# KiCad board panel.kicad_pcb (continued)
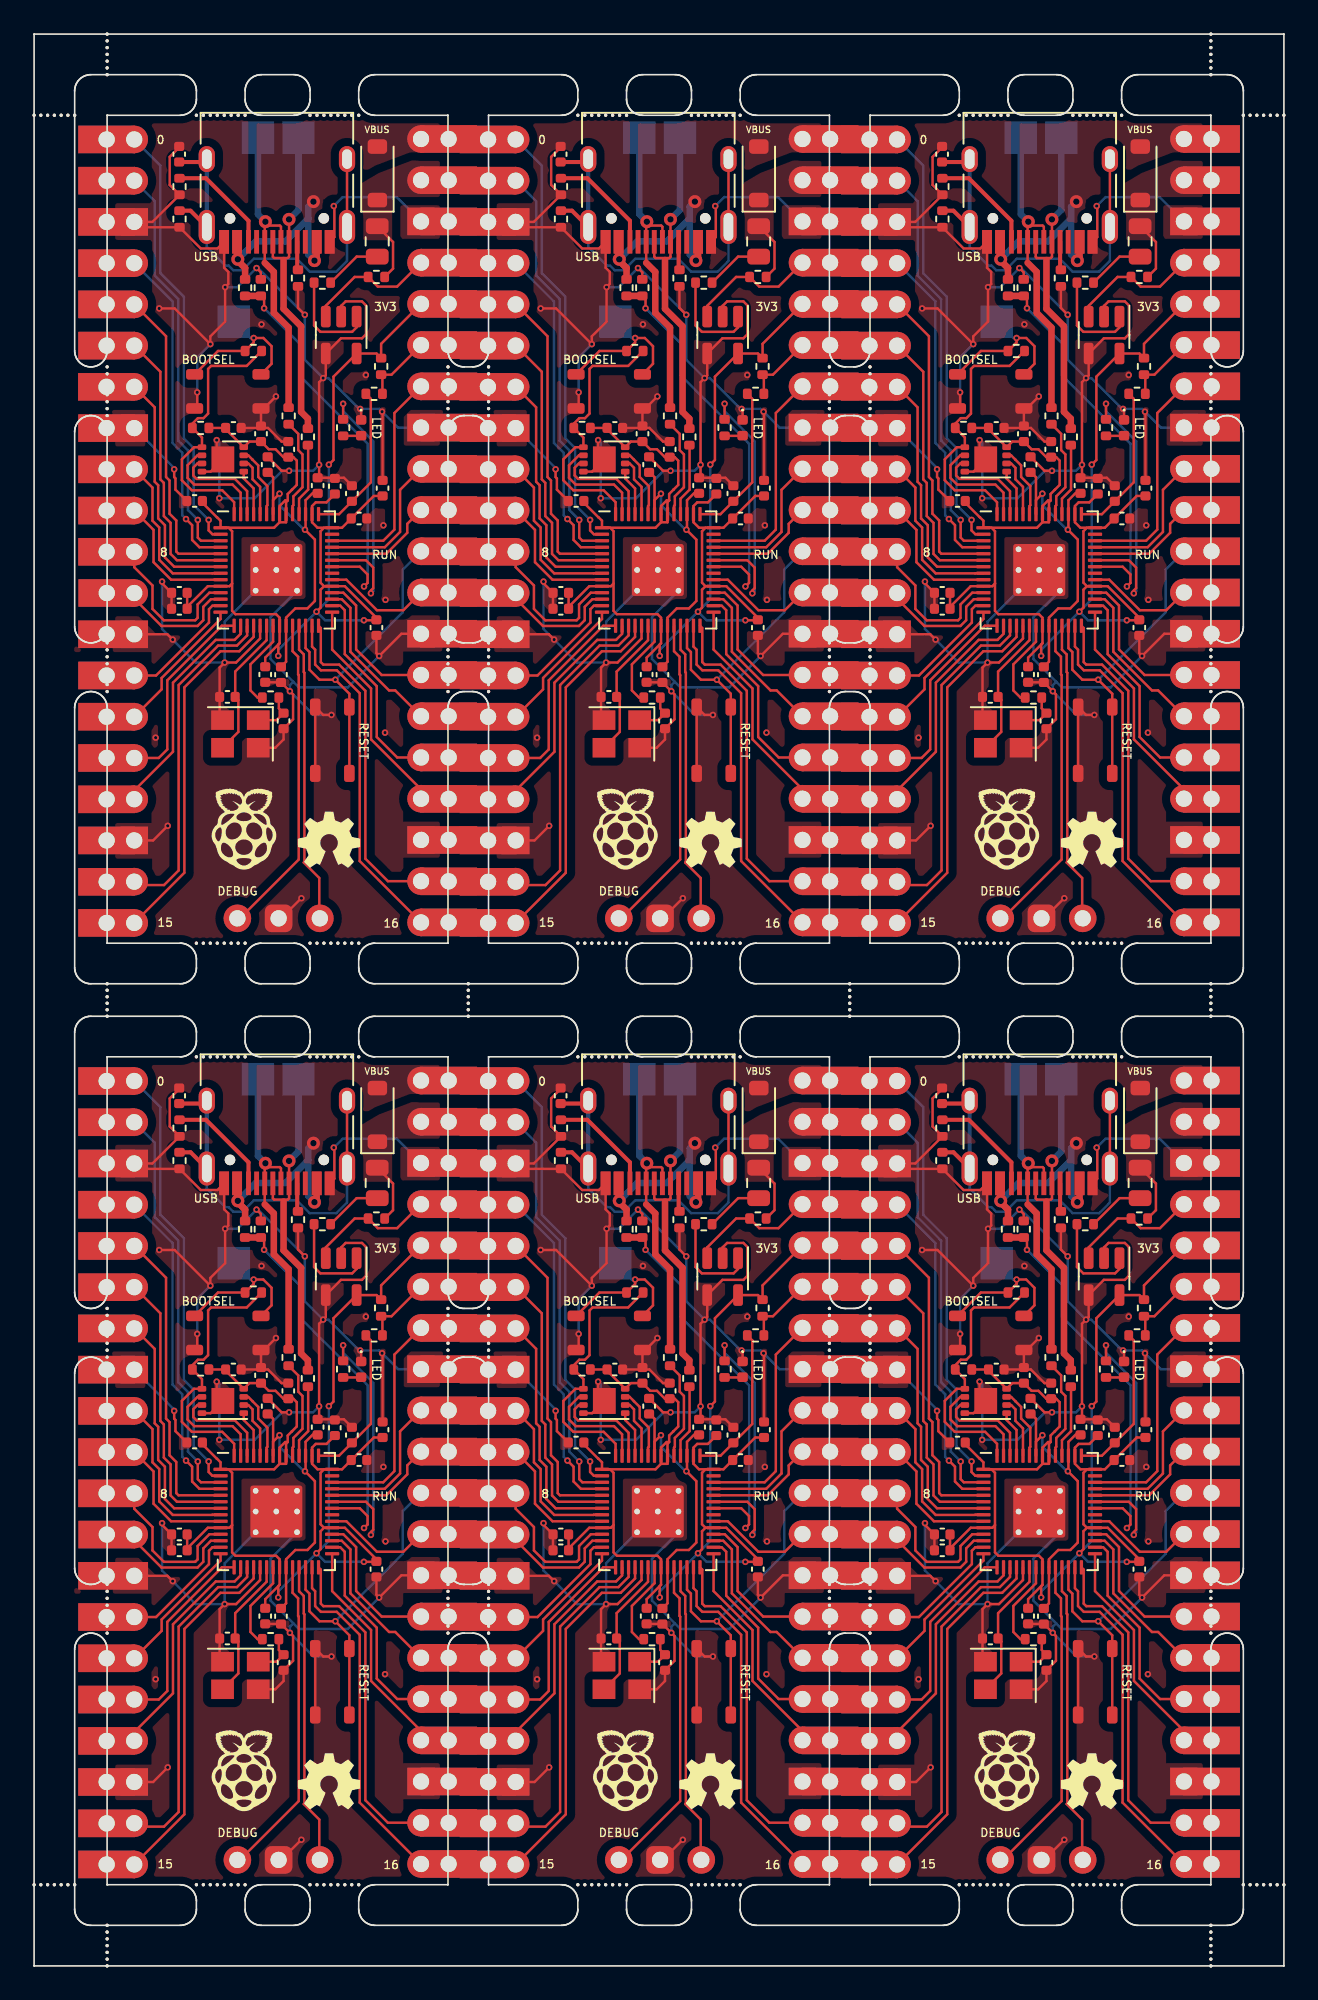
[diagram p0: board, top side]
## Nets (continued)
Board_2-Net-(J4-CC1): J4.A5 R11#2.1
Board_2-Net-(J4-CC2): J4.B5 R12#2.1
Board_2-Net-(J4-SHIELD): C17#2.1 J4.S1 R10#2.2
Board_2-Net-(U1-ADC_AVDD): C12#5.1 R4#3.2 U1#6.43
Board_2-Net-(U1-USB_DM): R2#3.1 U1#6.46
Board_2-Net-(U1-USB_DP): R1#5.1 U1#6.47
Board_2-Net-(U3-IN): FB1#2.1 U3#6.1
Board_2-unconnected-(J4-SBU1-PadA8): J4.A8
Board_2-unconnected-(J4-SBU2-PadB8): J4.B8
Board_2-VBUS: D3.2 J2#2.1 J4.A4 J4.A9 J4.B4 J4.B9 R13#6.2
Board_2-VSYS: D3.1 F1#4.1 J2#2.2 R15#4.1
Board_2-XIN: C15.2 U1#6.20 Y1.3
Board_2-XOUT: R7#3.2 U1#6.21
Board_3-3V3_EN: J2#3.4 R15.2 U3#4.3
Board_3-+1V1: C1#3.1 C2#4.1 C3#2.1 U1#4.23 U1#4.45 U1#4.50
Board_3-+3V3: C4#6.1 C5.1 C6#5.1 C7#2.1 C8#6.1 C9#6.1 C10#2.1 C11#3.1 C13#5.1 C16.2 C19#3.1 J2#3.5 R3#3.1 R9#3.2 U1#4.1 U1#4.10 U1#4.22 U1#4.33 U1#4.42 U1#4.44 U1#4.48 U1#4.49 U2#3.8 U3#4.5
Board_3-/ADC_VREF: J2#3.6 R3#3.2 R4#5.1
Board_3-/GPIO0: J1#2.1 U1#4.2
Board_3-/GPIO1: J1#2.2 U1#4.3
Board_3-/GPIO2: J1#2.4 U1#4.4
Board_3-/GPIO3: J1#2.5 U1#4.5
Board_3-/GPIO4: J1#2.6 U1#4.6
Board_3-/GPIO5: J1#2.7 U1#4.7
Board_3-/GPIO6: J1#2.9 U1#4.8
Board_3-/GPIO7: J1#2.10 U1#4.9
Board_3-/GPIO8: J1#2.11 U1#4.11
Board_3-/GPIO9: J1#2.12 U1#4.12
Board_3-/GPIO10: J1#2.14 U1#4.13
Board_3-/GPIO11: J1#2.15 U1#4.14
Board_3-/GPIO12: J1#2.16 U1#4.15
Board_3-/GPIO13: J1#2.17 U1#4.16
Board_3-/GPIO14: J1#2.19 U1#4.17
Board_3-/GPIO15: J1#2.20 U1#4.18
Board_3-/GPIO16: J2#3.20 U1#4.27
Board_3-/GPIO17: J2#3.19 U1#4.28
Board_3-/GPIO18: J2#3.17 U1#4.29
Board_3-/GPIO19: J2#3.16 U1#4.30
Board_3-/GPIO20: J2#3.15 U1#4.31
Board_3-/GPIO21: J2#3.14 U1#4.32
Board_3-/GPIO22: J2#3.12 U1#4.34
Board_3-/GPIO23: U1#4.35
Board_3-/GPIO24: R13#2.1 R14#2.2 U1#4.36
Board_3-/GPIO25: R5.1 U1#4.37
Board_3-/GPIO26_ADC0: J2#3.10 U1#4.38
Board_3-/GPIO27_ADC1: J2#3.9 U1#4.39
Board_3-/GPIO28_ADC2: J2#3.7 U1#4.40
Board_3-/GPIO29_ADC3: U1#4.41
Board_3-/QSPI_SCLK: U1#4.52 U2#3.6
Board_3-/QSPI_SD0: U1#4.53 U2#3.5
Board_3-/QSPI_SD1: U1#4.55 U2#3.2
Board_3-/QSPI_SD2: U1#4.54 U2#3.3
Board_3-/QSPI_SD3: U1#4.51 U2#3.7
Board_3-/QSPI_SS: R8#4.2 R9#3.1 U1#4.56 U2#3.1
Board_3-/RUN: J2#3.11 SW1#3.2 U1#4.26
Board_3-/SWCLK: J3#4.1 U1#4.24
Board_3-/SWD: J3#4.3 U1#4.25
Board_3-/USB_BOOT: R8#4.1 SW2.2 TP3#4.1
Board_3-/USB_DM: J4#6.A7 J4#6.B7 R2#5.2 TP2#6.1
Board_3-/USB_DP: J4#6.A6 J4#6.B6 R1.2 TP1#3.1
Board_3-GND: C1#3.2 C2#4.2 C3#2.2 C4#6.2 C5.2 C6#5.2 C7#2.2 C8#6.2 C9#6.2 C10#2.2 C11#3.2 C12#3.2 C13#5.2 C14#5.2 C15#5.1 C16.1 C17#5.2 C19#3.2 D1#2.1 J1#2.3 J1#2.8 J1#2.13 J1#2.18 J2#3.3 J2#3.8 J2#3.13 J2#3.18 J3#4.2 J4#6.A1 J4#6.A12 J4#6.B1 J4#6.B12 R10#5.1 R11#3.2 R12#6.2 R14#2.1 SW1#3.1 SW2.1 U1#4.19 U1#4.57 U2#3.4 U2#3.9 U3#4.2 U3#4.4 Y1#2.2 Y1#2.4
Board_3-Net-(C14-Pad1): C14#5.1 R7.1 Y1#2.1
Board_3-Net-(D1-A): D1#2.2 R5.2
Board_3-Net-(F1-Pad2): F1.2 FB1#5.2
Board_3-Net-(J4-CC1): J4#6.A5 R11#3.1
Board_3-Net-(J4-CC2): J4#6.B5 R12#6.1
Board_3-Net-(J4-SHIELD): C17#5.1 J4#6.S1 R10#5.2
Board_3-Net-(U1-ADC_AVDD): C12#3.1 R4#5.2 U1#4.43
Board_3-Net-(U1-USB_DM): R2#5.1 U1#4.46
Board_3-Net-(U1-USB_DP): R1.1 U1#4.47
Board_3-Net-(U3-IN): FB1#5.1 U3#4.1
Board_3-unconnected-(J4-SBU1-PadA8): J4#6.A8
Board_3-unconnected-(J4-SBU2-PadB8): J4#6.B8
Board_3-VBUS: D3#3.2 J2#3.1 J4#6.A4 J4#6.A9 J4#6.B4 J4#6.B9 R13#2.2
Board_3-VSYS: D3#3.1 F1.1 J2#3.2 R15.1
Board_3-XIN: C15#5.2 U1#4.20 Y1#2.3
Board_3-XOUT: R7.2 U1#4.21
Board_4-3V3_EN: J2#4.4 R15#5.2 U3#2.3
Board_4-+1V1: C1#5.1 C2.1 C3#4.1 U1.23 U1.45 U1.50
Board_4-+3V3: C4#4.1 C5#3.1 C6#6.1 C7#4.1 C8#3.1 C9#2.1 C10#6.1 C11#2.1 C13#2.1 C16#2.2 C19.1 J2#4.5 R3#6.1 R9.2 U1.1 U1.10 U1.22 U1.33 U1.42 U1.44 U1.48 U1.49 U2#5.8 U3#2.5
Board_4-/ADC_VREF: J2#4.6 R3#6.2 R4#2.1
Board_4-/GPIO0: J1#6.1 U1.2
Board_4-/GPIO1: J1#6.2 U1.3
Board_4-/GPIO2: J1#6.4 U1.4
Board_4-/GPIO3: J1#6.5 U1.5
Board_4-/GPIO4: J1#6.6 U1.6
Board_4-/GPIO5: J1#6.7 U1.7
Board_4-/GPIO6: J1#6.9 U1.8
Board_4-/GPIO7: J1#6.10 U1.9
Board_4-/GPIO8: J1#6.11 U1.11
Board_4-/GPIO9: J1#6.12 U1.12
Board_4-/GPIO10: J1#6.14 U1.13
Board_4-/GPIO11: J1#6.15 U1.14
Board_4-/GPIO12: J1#6.16 U1.15
Board_4-/GPIO13: J1#6.17 U1.16
Board_4-/GPIO14: J1#6.19 U1.17
Board_4-/GPIO15: J1#6.20 U1.18
Board_4-/GPIO16: J2#4.20 U1.27
Board_4-/GPIO17: J2#4.19 U1.28
Board_4-/GPIO18: J2#4.17 U1.29
Board_4-/GPIO19: J2#4.16 U1.30
Board_4-/GPIO20: J2#4.15 U1.31
Board_4-/GPIO21: J2#4.14 U1.32
Board_4-/GPIO22: J2#4.12 U1.34
Board_4-/GPIO23: U1.35
Board_4-/GPIO24: R13#5.1 R14.2 U1.36
Board_4-/GPIO25: R5#5.1 U1.37
Board_4-/GPIO26_ADC0: J2#4.10 U1.38
Board_4-/GPIO27_ADC1: J2#4.9 U1.39
Board_4-/GPIO28_ADC2: J2#4.7 U1.40
Board_4-/GPIO29_ADC3: U1.41
Board_4-/QSPI_SCLK: U1.52 U2#5.6
Board_4-/QSPI_SD0: U1.53 U2#5.5
Board_4-/QSPI_SD1: U1.55 U2#5.2
Board_4-/QSPI_SD2: U1.54 U2#5.3
Board_4-/QSPI_SD3: U1.51 U2#5.7
Board_4-/QSPI_SS: R8#2.2 R9.1 U1.56 U2#5.1
Board_4-/RUN: J2#4.11 SW1#6.2 U1.26
Board_4-/SWCLK: J3#6.1 U1.24
Board_4-/SWD: J3#6.3 U1.25
Board_4-/USB_BOOT: R8#2.1 SW2#4.2 TP3#3.1
Board_4-/USB_DM: J4#5.A7 J4#5.B7 R2#2.2 TP2#4.1
Board_4-/USB_DP: J4#5.A6 J4#5.B6 R1#6.2 TP1#2.1
Board_4-GND: C1#5.2 C2.2 C3#4.2 C4#4.2 C5#3.2 C6#6.2 C7#4.2 C8#3.2 C9#2.2 C10#6.2 C11#2.2 C12.2 C13#2.2 C14#6.2 C15#4.1 C16#2.1 C17#6.2 C19.2 D1#6.1 J1#6.3 J1#6.8 J1#6.13 J1#6.18 J2#4.3 J2#4.8 J2#4.13 J2#4.18 J3#6.2 J4#5.A1 J4#5.A12 J4#5.B1 J4#5.B12 R10#6.1 R11#6.2 R12.2 R14.1 SW1#6.1 SW2#4.1 U1.19 U1.57 U2#5.4 U2#5.9 U3#2.2 U3#2.4 Y1#5.2 Y1#5.4
Board_4-Net-(C14-Pad1): C14#6.1 R7#2.1 Y1#5.1
Board_4-Net-(D1-A): D1#6.2 R5#5.2
Board_4-Net-(F1-Pad2): F1#2.2 FB1#3.2
Board_4-Net-(J4-CC1): J4#5.A5 R11#6.1
Board_4-Net-(J4-CC2): J4#5.B5 R12.1
Board_4-Net-(J4-SHIELD): C17#6.1 J4#5.S1 R10#6.2
Board_4-Net-(U1-ADC_AVDD): C12.1 R4#2.2 U1.43
Board_4-Net-(U1-USB_DM): R2#2.1 U1.46
Board_4-Net-(U1-USB_DP): R1#6.1 U1.47
Board_4-Net-(U3-IN): FB1#3.1 U3#2.1
Board_4-unconnected-(J4-SBU1-PadA8): J4#5.A8
Board_4-unconnected-(J4-SBU2-PadB8): J4#5.B8
Board_4-VBUS: D3#5.2 J2#4.1 J4#5.A4 J4#5.A9 J4#5.B4 J4#5.B9 R13#5.2
Board_4-VSYS: D3#5.1 F1#2.1 J2#4.2 R15#5.1
Board_4-XIN: C15#4.2 U1.20 Y1#5.3
Board_4-XOUT: R7#2.2 U1.21
Board_5-3V3_EN: J2.4 R15#6.2 U3.3
Board_5-+1V1: C1#4.1 C2#3.1 C3.1 U1#5.23 U1#5.45 U1#5.50
Board_5-+3V3: C4#5.1 C5#2.1 C6#2.1 C7#5.1 C8#4.1 C9#4.1 C10#3.1 C11#6.1 C13#3.1 C16#4.2 C19#4.1 J2.5 R3.1 R9#5.2 U1#5.1 U1#5.10 U1#5.22 U1#5.33 U1#5.42 U1#5.44 U1#5.48 U1#5.49 U2#4.8 U3.5
Board_5-/ADC_VREF: J2.6 R3.2 R4#4.1
Board_5-/GPIO0: J1#4.1 U1#5.2
Board_5-/GPIO1: J1#4.2 U1#5.3
Board_5-/GPIO2: J1#4.4 U1#5.4
Board_5-/GPIO3: J1#4.5 U1#5.5
Board_5-/GPIO4: J1#4.6 U1#5.6
Board_5-/GPIO5: J1#4.7 U1#5.7
Board_5-/GPIO6: J1#4.9 U1#5.8
Board_5-/GPIO7: J1#4.10 U1#5.9
Board_5-/GPIO8: J1#4.11 U1#5.11
Board_5-/GPIO9: J1#4.12 U1#5.12
Board_5-/GPIO10: J1#4.14 U1#5.13
Board_5-/GPIO11: J1#4.15 U1#5.14
Board_5-/GPIO12: J1#4.16 U1#5.15
Board_5-/GPIO13: J1#4.17 U1#5.16
Board_5-/GPIO14: J1#4.19 U1#5.17
Board_5-/GPIO15: J1#4.20 U1#5.18
Board_5-/GPIO16: J2.20 U1#5.27
Board_5-/GPIO17: J2.19 U1#5.28
Board_5-/GPIO18: J2.17 U1#5.29
Board_5-/GPIO19: J2.16 U1#5.30
Board_5-/GPIO20: J2.15 U1#5.31
Board_5-/GPIO21: J2.14 U1#5.32
Board_5-/GPIO22: J2.12 U1#5.34
Board_5-/GPIO23: U1#5.35
Board_5-/GPIO24: R13#4.1 R14#4.2 U1#5.36
Board_5-/GPIO25: R5#3.1 U1#5.37
Board_5-/GPIO26_ADC0: J2.10 U1#5.38
Board_5-/GPIO27_ADC1: J2.9 U1#5.39
Board_5-/GPIO28_ADC2: J2.7 U1#5.40
Board_5-/GPIO29_ADC3: U1#5.41
Board_5-/QSPI_SCLK: U1#5.52 U2#4.6
Board_5-/QSPI_SD0: U1#5.53 U2#4.5
Board_5-/QSPI_SD1: U1#5.55 U2#4.2
Board_5-/QSPI_SD2: U1#5.54 U2#4.3
Board_5-/QSPI_SD3: U1#5.51 U2#4.7
Board_5-/QSPI_SS: R8#3.2 R9#5.1 U1#5.56 U2#4.1
Board_5-/RUN: J2.11 SW1#2.2 U1#5.26
Board_5-/SWCLK: J3#2.1 U1#5.24
Board_5-/SWD: J3#2.3 U1#5.25
Board_5-/USB_BOOT: R8#3.1 SW2#3.2 TP3#6.1
Board_5-/USB_DM: J4#2.A7 J4#2.B7 R2#4.2 TP2#5.1
Board_5-/USB_DP: J4#2.A6 J4#2.B6 R1#2.2 TP1#6.1
Board_5-GND: C1#4.2 C2#3.2 C3.2 C4#5.2 C5#2.2 C6#2.2 C7#5.2 C8#4.2 C9#4.2 C10#3.2 C11#6.2 C12#2.2 C13#3.2 C14#4.2 C15#3.1 C16#4.1 C17.2 C19#4.2 D1.1 J1#4.3 J1#4.8 J1#4.13 J1#4.18 J2.3 J2.8 J2.13 J2.18 J3#2.2 J4#2.A1 J4#2.A12 J4#2.B1 J4#2.B12 R10.1 R11#4.2 R12#3.2 R14#4.1 SW1#2.1 SW2#3.1 U1#5.19 U1#5.57 U2#4.4 U2#4.9 U3.2 U3.4 Y1#4.2 Y1#4.4
Board_5-Net-(C14-Pad1): C14#4.1 R7#5.1 Y1#4.1
Board_5-Net-(D1-A): D1.2 R5#3.2
Board_5-Net-(F1-Pad2): F1#5.2 FB1#4.2
Board_5-Net-(J4-CC1): J4#2.A5 R11#4.1
Board_5-Net-(J4-CC2): J4#2.B5 R12#3.1
Board_5-Net-(J4-SHIELD): C17.1 J4#2.S1 R10.2
Board_5-Net-(U1-ADC_AVDD): C12#2.1 R4#4.2 U1#5.43
Board_5-Net-(U1-USB_DM): R2#4.1 U1#5.46
Board_5-Net-(U1-USB_DP): R1#2.1 U1#5.47
Board_5-Net-(U3-IN): FB1#4.1 U3.1
Board_5-unconnected-(J4-SBU1-PadA8): J4#2.A8
Board_5-unconnected-(J4-SBU2-PadB8): J4#2.B8
Board_5-VBUS: D3#4.2 J2.1 J4#2.A4 J4#2.A9 J4#2.B4 J4#2.B9 R13#4.2
Board_5-VSYS: D3#4.1 F1#5.1 J2.2 R15#6.1
Board_5-XIN: C15#3.2 U1#5.20 Y1#4.3
Board_5-XOUT: R7#5.2 U1#5.21

## Via types
v1: diameter 0.4, hole 0.2, Top to Bottom, 270 vias
v2: diameter 0.8, hole 0.4, Top to Bottom, 30 vias

## Routing (per net, layer and track width the routed paths; a pad name or vN(x,y) marks a point on that pad's centre or on a via; arc(x,y) is an arc through that point)
Board_0-3V3_EN: length 8.1
  Top w0.15: J2#6.4 22.37,103.44 21.18,103.44 R15#3.2 19.75,104.04 17.97,102.26 U3#3.3
Board_0-+1V1: length 19.4
  Top w0.15: v1(16.69,88.47) 17.3,87.86 17.3,84.08 16.84,83.62 16.09,83.62 15.53,83.05 U1#2.23 15.53,80.34 C2#5.1 ; v1(16.69,88.47) 16.72,88.5 U1#2.45 16.72,90.28 17.18,90.74 ; v1(16.69,88.47) 16.72,88.48 ; v1(15.12,90.69) 14.72,90.3 U1#2.50 14.72,91.7 14.52,91.91
  Bottom w0.15: v1(15.12,90.69) 15.12,89.98 16.69,88.41
Board_0-+3V3: length 84.7
  Top w0.15: 15.88,90.93 15.62,90.67 15.62,90.27 ; 15.88,90.93 15.89,90.94 ; 15.88,90.93 16.19,91.23 16.19,92.72 15.97,92.94 C5#6.1 15.36,92.94 14.88,93.42 14.45,93.42 C19#2.1 13.27,93.9 U2#2.8 11.8,94.67 C16#3.2 R9#6.2 ; 15.12,81.48 15.04,81.39 v1(15.04,80.7) ; 15.12,81.48 14.24,80.59 C6#4.1 ; 15.12,81.48 U1#2.22 15.12,83.05 14.91,83.27 12.41,83.27 12.2,83.47 12.2,85.15 ; 11.48,88.6 U1#2.1 ; U1#2.1 11.99,88.59 12.2,88.38 12.2,85.15 ; U1#2.1 14.79,88.59 15.12,88.93 ; U1#2.1 11.49,89.02 11.27,89.24 11.26,89.24 10.34,90.16 10.34,90.22 ; C10.1 20.93,90.55 C4#3.1 18.97,88.59 U1#2.42 17.86,88.59 ; v1(18.16,92.48) 18.44,92.77 18.44,97.9 U3#3.5 21.1,99.32 R3#5.1 21.38,99.92 J2#6.5 ; 12.2,85.15 12.04,84.99 U1#2.10 10.7,84.99 9.43,83.72 C8#2.1 C13#4.1 ; 15.62,90.27 15.47,90.27 15.12,89.93 U1#2.49 15.12,88.93 ; 15.62,90.27 15.53,90.17 U1#2.48 15.53,88.93 15.12,88.93 ; 17.86,88.59 17.46,88.59 17.12,88.93 U1#2.44 17.12,89.93 17.35,90.16 18.01,90.16 C11#5.1 ; 17.86,88.59 17.65,88.38 17.65,85.2 17.86,84.99 ; 17.86,84.99 17.65,84.78 17.65,83.67 v1(17.4,83.42) ; 17.86,84.99 U1#2.33 19.15,84.99 21.09,83.05 C7#6.1 21.06,82.89 v1(20.32,82.89)
  Bottom w0.15: v1(17.4,83.42) 18.16,84.18 v1(18.16,92.48) ; v1(17.4,83.42) 17.93,82.89 v1(20.32,82.89) 19.98,82.89 ; v1(17.4,83.42) 15.04,81.06 v1(15.04,80.7)
Board_0-/ADC_VREF: length 4.4
  Top w0.15: R4#6.1 21.46,97.94 R3#5.2 22.02,98.02 J2#6.6
Board_0-/GPIO0: length 26.8
  Top w0.15: U1#2.2 10.99,88.19 10.75,88.42 v1(10.75,89.07)
  Bottom w0.15: v1(10.75,89.07) 9.83,90 9.83,93.5 9.23,94.1 9.23,102.82 7.78,104.27 7.78,110.9 J1.1
Board_0-/GPIO1: length 25.1
  Top w0.15: U1#2.3 10.28,87.79 10.09,87.98 v1(10.09,89.07)
  Bottom w0.15: v1(10.09,89.07) 9.48,89.68 9.48,93.36 8.88,93.96 8.88,102.67 7.43,104.12 7.43,108.71 J1.2
Board_0-/GPIO2: length 20.5
  Top w0.15: v1(9.36,89.13) 9.74,88.75 9.74,87.84 10.19,87.39 U1#2.4
  Bottom w0.15: J1.4 8.53,102.53 8.53,93.81 9.13,93.21 9.13,89.36 v1(9.36,89.13)
Board_0-/GPIO3: length 19.1
  Top w0.15: J1.5 8.13,100.39 8.13,91.71 8.34,91.5 8.34,89.45 8.76,89.04 8.76,87.12 8.89,86.99 U1#2.5
Board_0-/GPIO4: length 17
  Top w0.15: U1#2.6 8.8,86.59 8.41,86.98 8.41,88.89 8,89.31 8,91.35 7.78,91.57 7.78,98.2 J1.6
Board_0-/GPIO5: length 15
  Top w0.15: J1.7 7.43,96.01 7.43,91.42 7.64,91.21 7.64,89.16 8.06,88.75 8.06,86.76 8.63,86.19 U1#2.7
Board_0-/GPIO6: length 10.3
  Top w0.15: J1.9 7.3,91.06 7.3,89.02 7.71,88.6 7.71,86.61 8.54,85.78 10.98,85.78 10.99,85.79 U1#2.8
Board_0-/GPIO7: length 8.2
  Top w0.15: U1#2.9 8.44,85.39 7.36,86.47 7.36,88.46 J1.10
Board_0-/GPIO8: length 9.7
  Top w0.15: U1#2.11 10.8,84.59 10.08,83.87 10.08,83.04 9.93,82.89 7.99,82.89 7.3,83.59 7.3,85.03 6.17,86.16 J1.11
Board_0-/GPIO9: length 7.5
  Top w0.15: J1.12 6.17,84.22 7.85,82.54 10.07,82.54 10.42,82.89 10.42,83.72 10.89,84.19 U1#2.12
Board_0-/GPIO10: length 7.6
  Top w0.15: U1#2.13 10.99,83.79 10.78,83.58 10.78,82.75 7.52,79.49 J1.14
Board_0-/GPIO11: length 8.6
  Top w0.15: J1.15 7.86,78.64 7.86,79.34 11.49,82.97 U1#2.14
Board_0-/GPIO12: length 12
  Top w0.15: J1.16 7.68,74.41 8.21,74.94 8.21,79.19 11.57,82.55 U1#2.15
Board_0-/GPIO13: length 14.1
  Top w0.15: J1.17 6.17,72.41 8.56,74.79 8.56,79.05 11.19,81.68 12.35,81.68 12.72,82.05 U1#2.16
Board_0-/GPIO14: length 20.7
  Top w0.15: J1.19 6.38,66.58 8.01,66.58 8.91,67.48 8.91,78.9 11.34,81.33 12.5,81.33 13.12,81.96 U1#2.17
Board_0-/GPIO15: length 22
  Top w0.15: J1.20 9.26,67.34 9.26,78.76 11.48,80.98 12.64,80.98 13.53,81.86 U1#2.18
Board_0-/GPIO16: length 21.6
  Top w0.15: U1#2.27 17.12,81.27 17.31,81.08 17.31,80.16 17.67,79.81 18.65,79.81 20.06,78.4 20.06,68.06 J2#6.20
Board_0-/GPIO17: length 20.1
  Top w0.15: J2#6.19 21.79,66.82 20.41,68.2 20.41,78.54 18.79,80.16 17.82,80.16 17.67,80.31 17.67,82.41 U1#2.28
Board_0-/GPIO18: length 13.8
  Top w0.15: U1#2.29 18.36,81.09 20.76,78.69 20.76,75.56 23.84,72.48 J2#6.17
Board_0-/GPIO19: length 12.8
  Top w0.15: U1#2.30 18.86,83.79 19.14,83.51 19.14,80.8 21.11,78.83 21.11,75.7 22.37,74.44 J2#6.16
Board_0-/GPIO20: length 10
  Top w0.15: U1#2.31 18.96,84.19 19.49,83.66 19.49,80.95 21.87,78.57 22.25,78.57 J2#6.15
Board_0-/GPIO21: length 9.2
  Top w0.15: J2#6.14 21.41,79.52 19.84,81.09 19.84,83.8 19.05,84.59 U1#2.32
Board_0-/GPIO22: length 6.7
  Top w0.15: J2#6.12 22.75,83.51 21.12,83.51 19.24,85.39 U1#2.34
Board_0-/GPIO24: length 24.9
  Top w0.15: R14#5.2 14.17,102.67 v1(14.17,102.11) ; v1(20.33,84.97) 20.54,85.19 20.54,85.71 20.07,86.19 U1#2.36
  Top w0.4: R13.1 R14#5.2
  Bottom w0.15: v1(14.17,102.11) 16.33,99.95 16.33,97.99 20.55,93.77 20.55,85.2 v1(20.33,84.97)
Board_0-/GPIO25: length 17.8
  Top w0.15: v1(19.04,96.23) R5#4.1 ; U1#2.37 20.44,86.59 20.89,86.14 20.89,84.87 20.75,84.73 v1(20.75,84.55)
  Bottom w0.15: v1(19.04,96.23) 19.04,95.77 20.9,93.91 20.9,84.7 v1(20.75,84.55)
Board_0-/GPIO26_ADC0: length 6.9
  Top w0.15: U1#2.38 21.7,86.99 22.99,88.28 22.99,88.83 J2#6.10
Board_0-/GPIO27_ADC1: length 9
  Top w0.15: U1#2.39 21.61,87.39 22.55,88.33 22.55,90.93 J2#6.9
Board_0-/GPIO28_ADC2: length 13.6
  Top w0.15: J2#6.7 22.2,95.66 22.2,88.48 21.51,87.79 U1#2.40
Board_0-/QSPI_SCLK: length 3.7
  Top w0.15: U1#2.52 13.92,91.11 13.46,91.57 13.46,92.29 13.2,92.55 U2#2.6
Board_0-/QSPI_SD0: length 2.9
  Top w0.15: U1#2.53 13.53,91.01 12.92,91.62 U2#2.5
Board_0-/QSPI_SD1: length 6.9
  Top w0.15: U1#2.55 12.72,90.75 12.23,91.25 9.87,91.25 9.45,91.66 9.45,92.44 10.06,93.05 U2#2.2
Board_0-/QSPI_SD2: length 6.3
  Top w0.15: U2#2.3 10.06,92.55 9.81,92.29 9.81,91.81 10.01,91.6 12.37,91.6 13.12,90.84 U1#2.54
Board_0-/QSPI_SD3: length 4.4
  Top w0.15: U2#2.7 13.2,93.05 13.45,92.79 13.45,92.79 13.81,92.43 13.81,91.72 14.38,91.15 14.38,89.98 14.33,89.93 U1#2.51
Board_0-/QSPI_SS: length 16.9
  Top w0.15: R9#6.1 9.75,95 10.09,95.34 10.44,95.34 10.72,95.62 10.72,98.38 10.9,98.56 13.1,98.56 R8#5.2 ; R9#6.1 10.34,94.15 U2#2.1 9.85,93.55 9.11,92.81 9.11,91.52 9.72,90.9 11.59,90.9 12.33,90.16 U1#2.56 ; R9#6.1 9.62,94.74
Board_0-/RUN: length 20.9
  Top w0.15: SW1#5.2 SW1#5.2 19.42,78.37 v1(18.56,79.23) 17.58,79.23 16.97,79.84 16.97,80.93 16.72,81.17 U1#2.26
  Bottom w0.15: J2#6.11 22.72,86.02 22.72,83.38 v1(18.56,79.23)
Board_0-/SWCLK: length 20
  Top w0.15: 12.49,64.34 16.31,68.16 16.31,79.52 16.27,79.56 16.27,80.65 15.92,80.98 U1#2.24
Board_0-/SWD: length 18.8
  Top w0.15: U1#2.25 16.33,81.08 16.61,80.79 16.61,79.7 16.66,79.66 16.66,68.01 16.62,67.97 17.57,67.02 17.57,64.34
Board_0-/USB_BOOT: length 9.7
  Top w0.15: SW2#5.2 14.63,98.69 14.63,99.77 14.12,100.28 v1(13.53,100.28) 13.53,100.01 R8#5.1 11.33,99.48 SW2#5.2
  Bottom w0.15: TP3.1 13.32,100.28 v1(13.53,100.28)
Board_0-/USB_DM: length 20.6
  Top w0.15: J4#3.A7 14.71,105.28 14.78,105.2 15.64,105.2 15.71,105.28 J4#3.B7 15.71,107.58 v2(15.71,107.59)
  Top w0.4: R2#6.2 16.87,95.31 16.45,95.73 16.45,101 15.37,102.08 15.37,105.08
  Bottom w0.4: TP2#3.1 16.29,108.17 v2(15.71,107.59)
Board_0-/USB_DP: length 19.4
  Top w0.15: 14.28,107.2 14.21,107.13 J4#3.B6 14.21,104.91 ; 14.28,107.2 15.14,107.2 15.21,107.13 J4#3.A6 ; 14.28,107.2 14.28,107.41 v2(14.25,107.44)
  Top w0.4: 14.21,104.91 14.77,104.35 14.77,101.83 15.68,100.92 R1#4.2
  Bottom w0.4: v2(14.25,107.44) 13.79,107.9 TP1#4.1
Board_0-GND: length 169.7
  Top w0.15: C1#6.2 15.25,92.1 v1(15.71,92.1) ; J2#6.13 22.63,82.06 v1(21.26,80.69) 21.09,80.86 C7#6.2 ; J1.13 8.21,82.03 v1(8.54,81.7) ; v1(21.44,95.74) 21.47,95.71 C10.2 ; C17#3.2 8.94,112.02 8.36,111.44 8.36,109.7 R12#4.2 7.29,107.43 J1.3 6.5,107.1 R10#4.1 10.27,105.8 11.3,105.8 J4#3.A12 11.71,104.6 11.97,104.35 11.97,103.6 v1(11.77,103.41) 11.77,101.29 10.86,100.38 v1(10.86,99.9) 8.66,102.1 v1(7.71,102.1) ; C6#4.2 15.2,79.07 C2#5.2 15.22,79.06 v1(15.76,78.52) 15.95,78.33 15.95,76.8 C14#2.2 15.37,75.55 14.86,75.04 Y1#6.4 ; C9#3.2 8.71,90.94 8.71,91.63 8.63,91.71 v1(8.63,92.19) ; v1(8.23,70.23) 7.33,69.33 J1.18 ; Y1#6.2 11.43,76.92 C15#2.1 11.43,79.98 v1(11.74,80.29) 12.44,80.29 13.92,81.77 U1#2.19 ; C19#2.2 13.98,95.76 v1(14.9,96.68) ; v1(18.46,108.41) 18.5,108.37 18.5,106.5 J4#3.A1 ; SW1#5.1 SW1#5.1 17.81,77.06 v1(18.32,77.06) ; v1(7.88,85.27) 7.88,85.17 C13#4.2 C8#2.2 8.47,83.68 ; v1(11.25,93.99) 11.25,93.18 U2#2.9 10.88,92.05 U2#2.4 ; v1(16.47,65.77) 16.46,65.77 15.03,64.34 ; C12#6.2 19.09,91.67 C3#5.2 17.56,91.76 v1(17.56,92.47) 17.56,97.56 v1(17.81,97.81) 17.97,97.97 U3#3.4 18.91,100.26 20.2,100.26 20.45,100.51 20.45,102.29 20.2,102.53 19.2,102.53 18.92,102.26 U3#3.2 ; v1(16.68,101.71) 16.26,102.13 R11#5.2 ; v1(20.09,95.91) 20.15,95.85 D1#4.1 ; SW2#5.1 10.05,96.1 v1(10.05,96.93) ; C16#3.1 14.41,94.74 15.25,93.9 C5#6.2 ; R14#5.1 13.97,104.32 v1(13.7,104.59)
  Bottom w0.15: v1(21.26,80.69) 19.32,78.75 16.32,78.75 15.97,79.1 ; v1(10.86,99.9) 10.05,99.09 v1(10.05,96.93) ; J1.8 8.63,92.27 v1(8.63,92.19) ; 15.97,79.1 15.76,78.89 v1(15.76,78.52) 17.22,77.06 v1(18.32,77.06) ; 15.97,79.1 14.57,80.5 14.57,83.08 U1#2.57 ; v1(11.77,103.41) 12.53,103.41 v1(13.7,104.59) 13.8,104.59 v1(16.68,101.71) 16.68,98.94 v1(17.81,97.81) 18.13,97.81 20.03,95.91 v1(20.09,95.91) 21.27,95.91 v1(21.44,95.74) 22.42,94.76 J2#6.8 ; v1(17.56,92.47) 17.19,92.1 v1(15.71,92.1) 15.28,92.1 13.59,90.41 v1(11.41,90.41) 11.41,93.83 v1(11.25,93.99) ; v1(7.88,85.27) 7.88,82.36 v1(8.54,81.7) 9.95,80.29 v1(11.74,80.29) 11.74,82.81 U1#2.57 ; v1(18.46,108.41) 19.02,108.96 22.34,108.96 J2#6.3
  vias: v1(7.49,75.66) v1(14.01,101.12) v1(20.44,98) v1(21.52,88.74) v1(21.62,75.97) v1(21.65,84.15)
Board_0-Net-(C14-Pad1): length 2.8
  Top w0.15: R7#6.1 15.08,77.46 C14#2.1 14.94,76.74 Y1#6.1
Board_0-Net-(D1-A): length 1.1
  Top w0.15: R5#4.2 20.13,94.25 D1#4.2
Board_0-Net-(F1-Pad2): length 3.5
  Top w0.15: F1#6.2 19.87,105.29 FB1.2
Board_0-Net-(J4-CC1): length 1.7
  Top w0.25: R11#5.1 16.21,104.53 J4#3.A5
Board_0-Net-(J4-CC2): length 6.6
  Top w0.25: R12#4.1 10.59,110.12 13.21,107.5 J4#3.B5
Board_0-Net-(J4-SHIELD): length 25.7
  Top w0.15: J4#3.S1 J4#3.S1
  Top w0.25: R10#4.2 9.64,108.12 J4#3.S1 ; C17#3.1 10.46,111.12 J4#3.S1
  Bottom w0.15: J4#3.S1 19.28,105.03 18.62,104.37 16.98,104.37 16.19,105.16 13.54,105.16 12.83,104.45 12.27,104.45 11.98,104.74 11.79,104.74 10.64,105.89 J4#3.S1
  Bottom w0.25: J4#3.S1 J4#3.S1
Board_0-Net-(U1-ADC_AVDD): length 9.6
  Top w0.15: U1#2.43 18.79,89.43 C12#6.1 20.75,91.38 20.75,96.53 R4#6.2
Board_0-Net-(U1-USB_DM): length 4.5
  Top w0.15: R2#6.1 16.89,93.66 16.89,90.94 16.33,90.38 U1#2.46
Board_0-Net-(U1-USB_DP): length 6.1
  Top w0.15: R1#4.1 16.28,94.38 16.28,93.37 16.53,93.11 16.53,91.08 15.97,90.52 15.97,89.98 15.92,89.93 U1#2.47
Board_0-Net-(U3-IN): length 6.2
  Top w0.15: FB1.1 17.25,101.05 17.64,100.66 19.59,100.66 19.87,100.94 U3#3.1
Board_0-VBUS: length 13.8
  Top w0.4: v2(12.55,105.13) 12.55,105.04 13,104.59 ; v2(17.27,105.05) 17.41,105.18 J4#3.A4 ; 13,104.59 12.51,105.08 J4#3.A9 ; 13,104.59 R13.2
  Bottom w0.4: 16.89,107.64 16.89,105.43 v2(17.27,105.05) ; 16.89,107.64 15.48,106.23 13.65,106.23 v2(12.55,105.13) ; 16.89,107.64 16.89,108.36 v2(17.21,108.68)
Board_0-VSYS: length 3.7
  Top w0.15: R15#3.1 22.12,104.56 22.12,106.19 F1#6.1
Board_0-XIN: length 8.8
  Top w0.15: Y1#6.3 12.58,76.02 12.58,77.97 C15#2.2 12.39,79.73 14.33,81.66 U1#2.20
Board_0-XOUT: length 5.5
  Top w0.15: R7#6.2 13.77,78.13 13.33,78.57 13.33,80.18 14.72,81.57 U1#2.21
Board_1-3V3_EN: length 8.1
  Top w0.15: U3#5.3 41.47,102.26 43.25,104.04 R15#2.2 44.68,103.44 45.87,103.44 J2#5.4
Board_1-+1V1: length 19.4
  Top w0.15: 40.68,90.74 40.22,90.28 40.22,88.5 v1(40.19,88.47) ; v1(40.19,88.47) 40.22,88.48 ; v1(40.19,88.47) 40.8,87.86 40.8,84.08 40.34,83.62 39.59,83.62 39.03,83.05 U1#3.23 39.03,80.34 C2#2.1 ; 38.02,91.91 38.22,91.7 38.22,89.43 38.22,90.3 v1(38.62,90.69)
  Bottom w0.15: v1(38.62,90.69) 38.62,89.98 40.19,88.41
Board_1-+3V3: length 84.7
  Top w0.15: 39.12,90.27 38.97,90.27 38.62,89.93 U1#3.49 38.62,88.93 ; 39.12,90.27 39.12,90.67 39.38,90.93 ; 39.12,90.27 39.03,90.17 U1#3.48 39.03,88.93 38.62,88.93 ; U1#3.1 35.49,88.59 35.7,88.38 35.7,85.15 ; U1#3.1 38.29,88.59 38.62,88.93 ; U1#3.1 34.98,88.6 ; U1#3.1 34.99,89.02 34.77,89.24 34.76,89.24 33.84,90.16 33.84,90.22 ; C6.1 37.74,80.59 38.62,81.48 ; v1(43.82,82.89) 44.56,82.89 C7.1 44.59,83.05 42.65,84.99 U1#3.33 41.36,84.99 ; 41.36,88.59 41.15,88.38 41.15,85.2 41.36,84.99 ; 41.36,88.59 U1#3.42 42.47,88.59 C4#2.1 44.43,90.55 C10#4.1 ; 41.36,88.59 40.96,88.59 40.62,88.93 U1#3.44 40.62,89.93 40.85,90.16 41.51,90.16 C11#4.1 ; 39.38,90.93 39.4,90.94 ; 39.38,90.93 39.69,91.23 39.69,92.72 39.47,92.94 C5#4.1 38.86,92.94 38.38,93.42 37.96,93.42 C19#6.1 36.77,93.9 U2#6.8 35.3,94.67 C16#6.2 R9#4.2 ; 35.7,85.15 35.54,84.99 U1#3.10 34.2,84.99 32.93,83.72 C8.1 C13#6.1 ; 35.7,85.15 35.7,83.47 35.91,83.27 38.41,83.27 38.62,83.05 U1#3.22 38.62,81.48 ; v1(40.9,83.42) 41.15,83.67 41.15,84.78 41.36,84.99 ; v1(38.54,80.7) 38.54,81.39 38.62,81.48 ; v1(41.66,92.48) 41.94,92.77 41.94,97.9 U3#5.5 44.6,99.32 R3#2.1 44.88,99.92 J2#5.5
  Bottom w0.15: v1(40.9,83.42) 41.43,82.89 v1(43.82,82.89) 43.48,82.89 ; v1(40.9,83.42) 38.54,81.06 v1(38.54,80.7) ; v1(40.9,83.42) 41.66,84.18 v1(41.66,92.48)
Board_1-/ADC_VREF: length 4.4
  Top w0.15: J2#5.6 45.52,98.02 R3#2.2 44.96,97.94 R4.1
Board_1-/GPIO0: length 26.8
  Top w0.15: U1#3.2 34.49,88.19 34.25,88.42 v1(34.25,89.07)
  Bottom w0.15: v1(34.25,89.07) 33.33,90 33.33,93.5 32.73,94.1 32.73,102.82 31.28,104.27 31.28,110.9 J1#3.1
Board_1-/GPIO1: length 25.1
  Top w0.15: v1(33.59,89.07) 33.59,87.98 33.78,87.79 U1#3.3
  Bottom w0.15: v1(33.59,89.07) 32.98,89.68 32.98,93.36 32.38,93.96 32.38,102.67 30.93,104.12 30.93,108.71 J1#3.2
Board_1-/GPIO2: length 20.5
  Top w0.15: U1#3.4 33.69,87.39 33.24,87.84 33.24,88.75 v1(32.86,89.13)
  Bottom w0.15: J1#3.4 32.03,102.53 32.03,93.81 32.63,93.21 32.63,89.36 v1(32.86,89.13)
Board_1-/GPIO3: length 19.1
  Top w0.15: U1#3.5 32.39,86.99 32.26,87.12 32.26,89.04 31.84,89.45 31.84,91.5 31.63,91.71 31.63,100.39 J1#3.5
Board_1-/GPIO4: length 17
  Top w0.15: U1#3.6 32.3,86.59 31.91,86.98 31.91,88.89 31.5,89.31 31.5,91.35 31.28,91.57 31.28,98.2 J1#3.6
Board_1-/GPIO5: length 15
  Top w0.15: U1#3.7 32.13,86.19 31.56,86.76 31.56,88.75 31.15,89.16 31.15,91.21 30.93,91.42 30.93,96.01 J1#3.7
Board_1-/GPIO6: length 10.3
  Top w0.15: U1#3.8 34.49,85.79 34.48,85.78 32.04,85.78 31.21,86.61 31.21,88.6 30.79,89.02 30.79,91.06 J1#3.9
Board_1-/GPIO7: length 8.2
  Top w0.15: U1#3.9 31.94,85.39 30.86,86.47 30.86,88.46 J1#3.10
Board_1-/GPIO8: length 9.7
  Top w0.15: U1#3.11 34.3,84.59 33.57,83.87 33.57,83.04 33.43,82.89 31.49,82.89 30.79,83.59 30.79,85.03 29.67,86.16 J1#3.11
Board_1-/GPIO9: length 7.5
  Top w0.15: U1#3.12 34.39,84.19 33.93,83.72 33.93,82.89 33.57,82.54 31.35,82.54 29.67,84.22 J1#3.12
Board_1-/GPIO10: length 7.6
  Top w0.15: U1#3.13 34.49,83.79 34.28,83.58 34.28,82.75 31.02,79.49 J1#3.14
Board_1-/GPIO11: length 8.6
  Top w0.15: U1#3.14 34.99,82.97 31.36,79.34 31.36,78.64 J1#3.15
Board_1-/GPIO12: length 12
  Top w0.15: 35.82,82.55 35.07,82.55 31.71,79.19 31.71,74.94 31.18,74.41 J1#3.16
Board_1-/GPIO13: length 14.1
  Top w0.15: 36.22,82.55 36.22,82.05 35.85,81.68 34.69,81.68 32.06,79.05 32.06,74.79 29.67,72.41 J1#3.17
Board_1-/GPIO14: length 20.7
  Top w0.15: U1#3.17 36.62,81.96 36,81.33 34.84,81.33 32.41,78.9 32.41,67.48 31.51,66.58 29.88,66.58 J1#3.19
Board_1-/GPIO15: length 22
  Top w0.15: U1#3.18 37.03,81.86 36.14,80.98 34.98,80.98 32.76,78.76 32.76,67.34 J1#3.20
Board_1-/GPIO16: length 21.6
  Top w0.15: U1#3.27 40.62,81.27 40.81,81.08 40.81,80.16 41.17,79.81 42.15,79.81 43.56,78.4 43.56,68.06 J2#5.20
Board_1-/GPIO17: length 20.1
  Top w0.15: J2#5.19 45.29,66.82 43.91,68.2 43.91,78.54 42.29,80.16 41.32,80.16 41.16,80.31 41.16,82.41 U1#3.28